# KiCad board gk-pcbv3.kicad_pcb (continued)
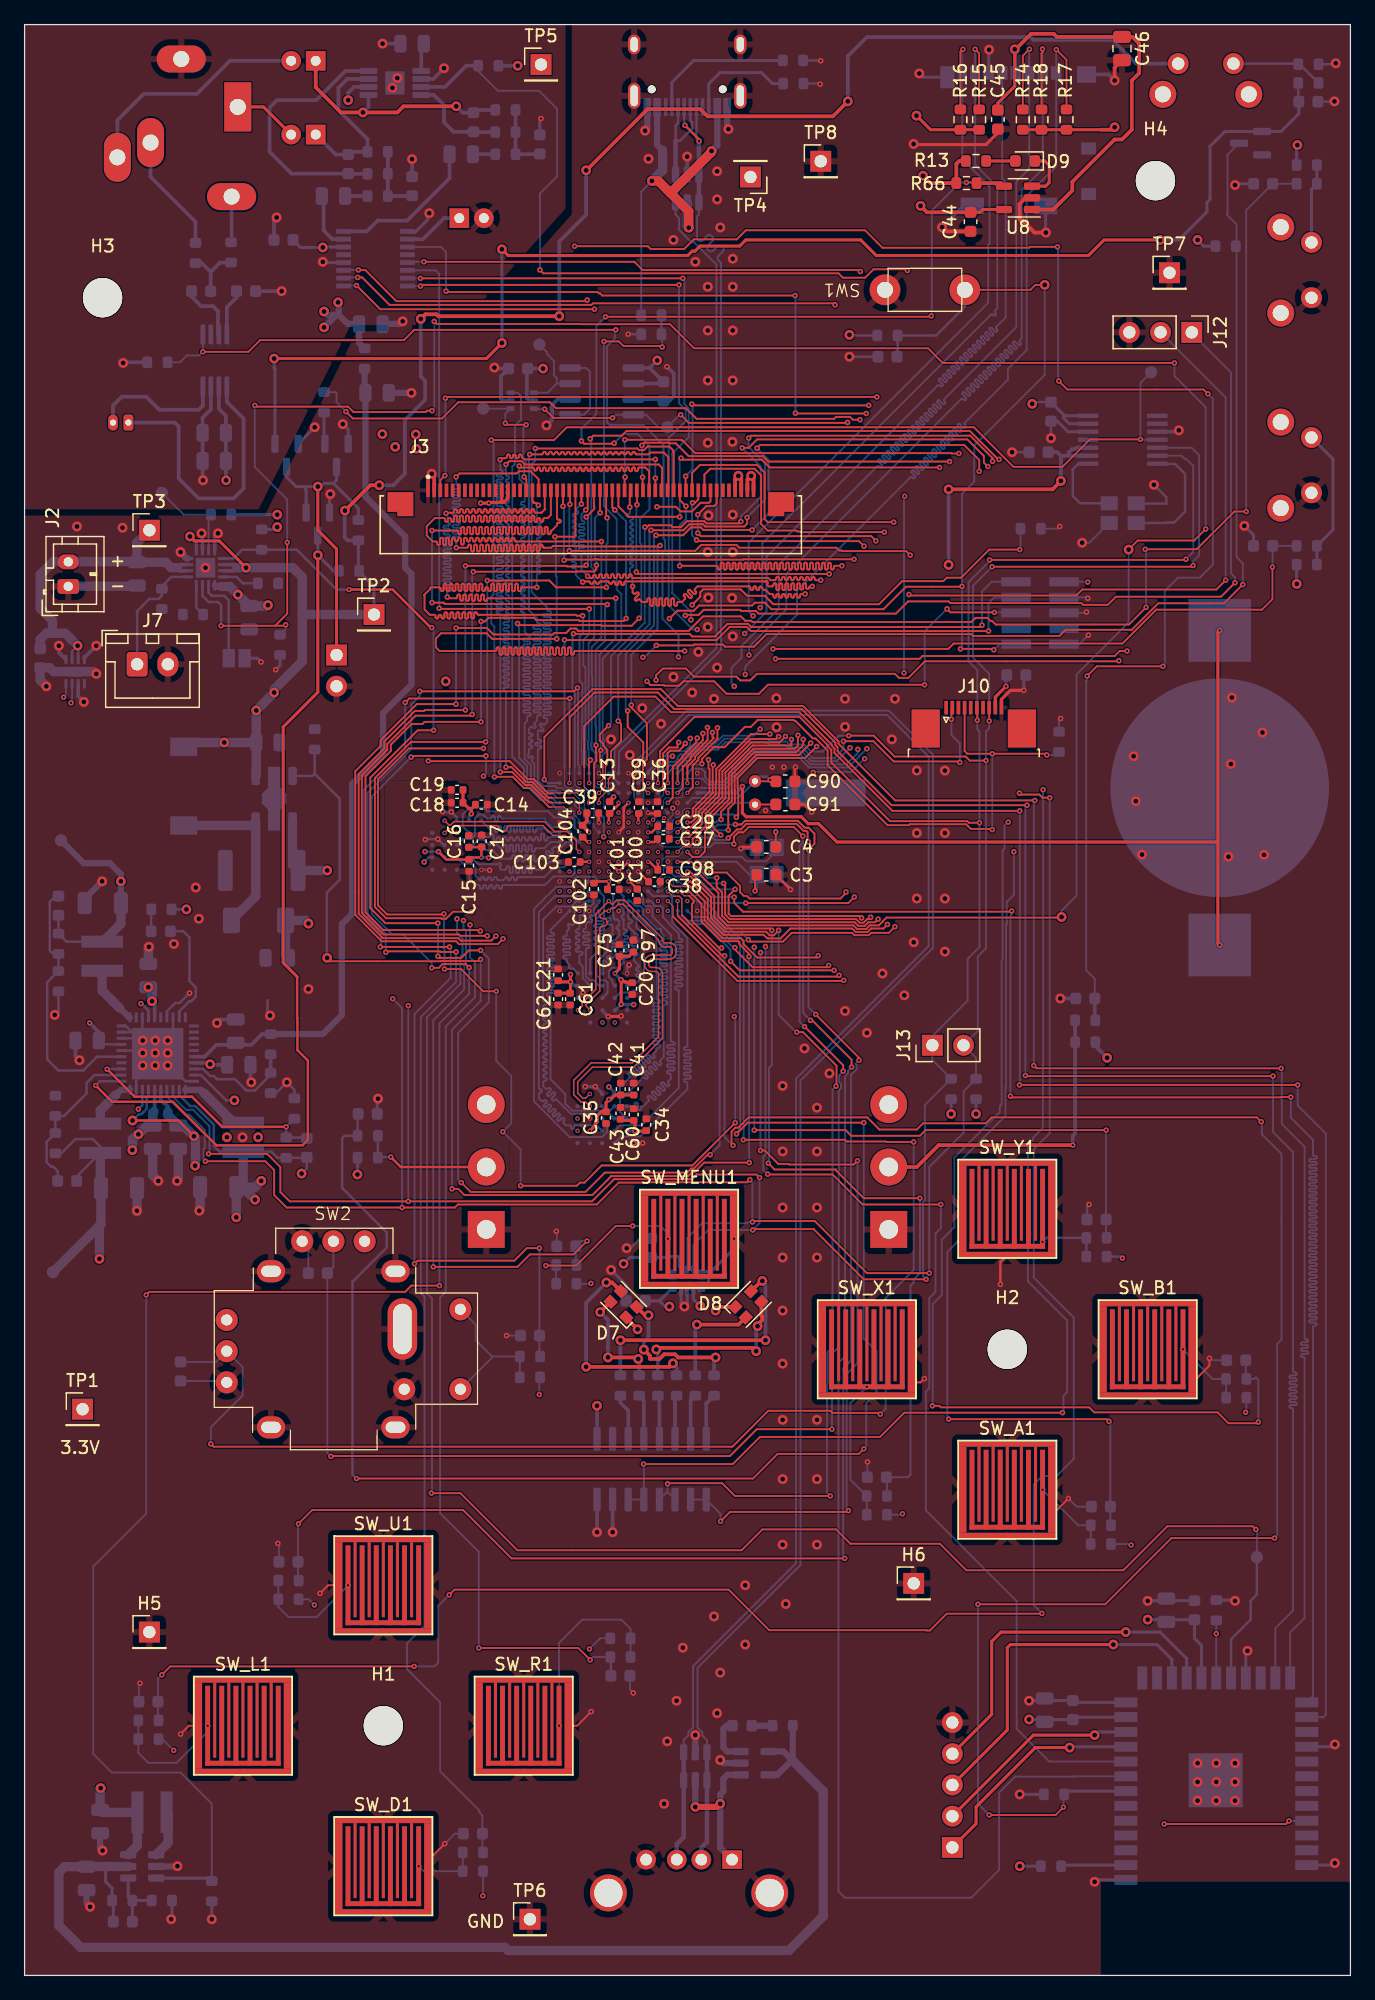
[diagram p0: board, top side]
## Routing (per net, layer and track width the routed paths; a pad name or vN(x,y) marks a point on that pad's centre or on a via; arc(x,y) is an arc through that point) (continued)
Net-(Q2-G): length 2.6
  Bottom w0.25: Q2.1 24.38,124.7 R79.1
Net-(R28-Pad2): length 6.6
  Bottom w0.152: R28.2 R29.1 85.78,36.63 v1(82.88,39.52)
Net-(R30-Pad2): length 6
  Bottom w0.152: R30.2 R31.1 96.73,48.54 v1(94.31,50.95)
Net-(R32-Pad2): length 11.5
  Bottom w0.152: R32.2 R33.1 67.23,40.35 67.23,46.56 v1(68.58,47.9)
Net-(R34-Pad2): length 5.2
  Bottom w0.203: v1(82.88,59.69) 83.22,60.02 R35.1 R34.2
Net-(R40-Pad2): length 10.2
  Bottom w0.152: R41.1 R40.2 9.26,18.12 10.08,17.3 12.37,17.3 14.9,19.83 v1(14.9,20.32)
Net-(R42-Pad2): length 16
  Bottom w0.152: v1(43.52,20.32) 43.52,27.06 45.42,28.96 48.46,28.96 48.49,28.93 48.62,28.93 49.34,28.21 R42.2 R43.1
Net-(R44-Pad2): length 6.5
  Bottom w0.25: SW_VOLUP1.2 104.77,145.35 R45.1 R44.2
Net-(R46-Pad2): length 11.6
  Bottom w0.25: R46.2 R47.1 106.53,117.64 106.53,123.4 SW_VOLDOWN1.2
Net-(R48-Pad1): length 7.6
  Bottom w0.203: R49.1 103.83,155.52 R48.1 103.65,155.58 SW_ONOFF1.1
Net-(R50-Pad2): length 14.3
  Top w0.152: v1(49.5,60.99) 48.13,60.99 44.91,57.76 v1(42.44,57.76)
  Bottom w0.152: R50.2 R51.1 43.23,57.76 v1(42.44,57.76) ; v1(52.38,59.94) 52.38,60.37 51.77,60.99 v1(49.5,60.99)
Net-(R68-Pad2): length 12.4
  Top w0.152: 37.69,65.43 38.07,65.05
  Top w0.203: v1(29.82,66.6) 30.63,65.79 SW_LB1.2
  Bottom w0.152: 38.94,66.19 38.89,66.14 ; 37.13,65.99 37.69,65.43
  Bottom w0.203: R83.1 R68.2 28.82,66.6 v1(29.82,66.6)
Net-(R84-Pad2): length 26
  Top w0.305: v1(85.34,67.56) 74.42,67.56 72.64,65.79 SW_RB1.2
  Bottom w0.305: v1(85.34,67.56) 85.34,68.33 85.54,68.52 R84.2 R85.1
Net-(U3-CLK/2): length 6.6
  Bottom w0.152: U3.8 45.72,130.81 46.02,130.51 46.02,127.48 45.54,127 U3.5
Net-(U4A-BOOT0): length 49.8
  Top w0.152: v1(81.03,116.03) 78.54,116.03 76.25,113.74 75.08,113.74 74.8,113.46 71.45,113.46 69.57,111.58 60.96,111.58 60.27,112.27 58.83,112.27 58.31,112.79 55.26,112.79 55.02,112.55 55.02,112.19 v1(54.36,111.53)
  In3.Cu w0.152: v1(54.2,100.66) 54.2,100.7 54.51,101 54.51,101.35 54.64,101.47 54.64,101.94 55.45,102.75 55.45,102.82 55.4,102.87 55.4,103.15 55.22,103.33 55.22,104.6 52.73,107.09 52.73,109.4 53.19,109.86 53.19,110.61 54.11,111.53 v1(54.36,111.53)
  Bottom w0.152: U4.A6 50.77,97.97 51.48,98.68 51.59,98.68 52.53,99.62 53.75,99.62 54.2,100.08 v1(54.2,100.66) ; v1(81.03,116.03) 81.03,116.26 81.09,116.32 R8.1
Net-(U4A-PC14-_OSC32_I_N): length 10.1
  Top w0.152: C90.1 59.48,97.17 Y2.1
  Top w0.203: 61.37,97.07 60.92,97.07 v1(60.71,97.28)
  Bottom w0.152: U4.D2 54.36,95.82 58.11,95.82 Y2.1
  Bottom w0.203: 59.44,97.55 60.44,97.55 v1(60.71,97.28)
Net-(U4A-PC15-_OSC32_O_UT): length 6.5
  Top w0.152: C91.1 59.48,95.29 Y2.2
  Bottom w0.152: Y2.2 59.32,95.43 U4.D1
Net-(U4B-PH0-_OSC_IN): length 8.1
  Top w0.152: v1(59.48,88.25) 59.48,89.43 C3.1
  Bottom w0.152: U4.K1 57.97,90.63 59,89.59 Y1.1 59.62,88.39 v1(59.48,88.25)
Net-(U4B-PH1-_OSC_OU_T): length 10.7
  Top w0.152: v1(61.16,93.05) 61.16,91.85 C4.1
  Bottom w0.152: U4.K2 54.36,91.02 58.39,91.02 58.74,90.66 60.39,90.66 61.22,91.49 Y1.3 61.22,92.99 v1(61.16,93.05)
Net-(U4B-PM8): length 46.6
  Top w0.152: v1(51.92,132.51) 51.84,132.59 48.77,132.59 48.39,132.97 v1(47.17,132.97)
  Bottom w0.09: U4.C9 47.98,96.61 47.41,96.61 47.11,96.91 47.11,98.31
  Bottom w0.152: v1(51.92,132.51) 51.92,133.49 R54.1 ; 47.11,98.31 47.11,98.76 47.04,98.83 47.04,99.27 47.3,99.53 47.3,99.95 47.16,100.1 47.16,100.48 47.06,100.58 47.07,100.58 47.07,107.16 48.59,108.69 48.59,112.42 48.21,112.8 48.21,118.52 47.17,119.56 v1(47.17,132.97)
  Bottom w0.203: R53.2 R54.1
Net-(U7-V_COM): length 4.9
  Bottom w0.305: U7.10 32.44,141.29 34.15,143 C48.1
Net-(U7-VOUTL): length 4.8
  Bottom w0.305: 25.97,141.29 25.06,141.29 24.35,142 24.35,144.65 C49.1
Net-(U7-VOUTR): length 12.4
  Bottom w0.305: C50.1 34.6,146.25 31.15,142.8 28.75,142.8 27.87,141.92 25.97,141.92
Net-(U11-O1): length 2.7
  Bottom w0.305: 55.5,44.75 55.5,46.55 R61.2
Net-(U11-O2): length 2.6
  Bottom w0.305: 54.23,44.75 54.23,46.8 R58.2
Net-(U11-O3): length 2.5
  Bottom w0.305: R62.2 52.96,47.05 52.96,44.75
Net-(U11-O4): length 2.5
  Bottom w0.305: R59.2 51.69,47.05 51.69,44.75
Net-(U11-O5): length 2.6
  Bottom w0.305: R63.2 50.42,46.8 50.42,44.75
Net-(U11-O6): length 2.7
  Bottom w0.305: 49.15,44.75 49.15,45.97 48.51,46.61 R60.2
Net-(U12-IN+): length 5
  Bottom w0.305: C82.1 13.6,136.61 14.38,135.84 15.34,135.84 15.75,135.43 15.75,133.6 15.82,133.53
Net-(U12-IN-): length 3.9
  Bottom w0.305: U12.4 16.47,135.75 17.26,136.54 C83.1
Net-(U13-S2): length 7
  Bottom w0.152: U3.7 43.33,129.54 ; 43.33,129.54 43.33,129.97 43.1,130.2 43.1,131.37 42.55,131.93 42.55,132.08 TP10.1 ; 43.33,129.54 42.59,128.79 U13.1
Net-(U14-BYPASS): length 2.3
  Bottom w0.305: U14.1 32.3,157 C57.2
Net-(U14-IN1-): length 21.8
  Bottom w0.305: 27.92,146.78 R19.2 26.38,146.6 26.35,146.62 21.72,146.62 19.95,148.4 19.95,152 20.55,152.6 23.75,152.6 26.12,154.98 U14.8
Net-(U14-IN2-): length 8.1
  Bottom w0.305: 38.33,150 36.58,150 C54.2 34.92,150.03 34.15,150.8 34.15,152.2 33.33,153.03 U14.4
Net-(U14-VO1): length 13.9
  Bottom w0.305: U14.7 26.27,154.33 25.55,153.6 25.55,151.8 27.92,149.43 R20.2 26.58,148.4 C52.1 25.33,148.18 C55.1
Net-(U14-VO2): length 19.8
  Top w0.305: C56.1 23.71,153.64 25.75,151.6 v2(27.55,151.6) 30.35,151.6 30.85,152.1 v2(35.15,152.1)
  Bottom w0.305: v2(35.15,152.1) 35.67,151.58 C54.1 36.77,151.8 38.33,151.8 ; U14.5 28,152.05 v2(27.55,151.6)
Net-(U19-XIN/CLK): length 7.1
  Bottom w0.203: 88.31,119.8 85.94,119.8 85.34,120.4 85.34,122.56 85.79,123 86.86,123
Net-(U19-XOUT): length 10.3
  Bottom w0.203: 91.96,123 93.66,123 94.49,122.17 94.49,119.13 93.59,118.22 92.96,118.22 92.94,118.2 Y3.3
Net-(U20-SW): length 3.9
  Bottom w0.762: L2.1 11.68,13.15 11.68,10.79 U20.1
Net-(U20-V_{FB}): length 5.3
  Bottom w0.254: R12.2 8.44,6.43 U20.4 ; R12.2 C9.2 ; R12.2 R56.1
Net-(U21-ILIM): length 3
  Bottom w0.203: R57.2 17.78,113.28 17.26,113.8 U21.12
Net-(U21-ISET): length 2.6
  Bottom w0.203: R74.2 13.98,111.3 U21.16
Net-(U21-~{PGOOD}): length 7.7
  Bottom w0.152: TP17.1 12.95,118.87 15.18,118.87 14.98,118.68 U21.7
Net-(U25-SDIO/SPI_CFG): length 5.3
  Bottom w0.254: 84.39,8.89 84.48,8.98 U25.2
Net-(U26A-SW1): length 5.8
  Bottom w0.508: U26.11 14.34,72.07 14.6,71.81
  Bottom w0.762: 14.6,71.81 17.02,69.39 L6.2
Net-(U26A-SW2): length 4.2
  Bottom w0.508: 7.43,71.66 7.84,72.07 U26.20
  Bottom w0.762: L5.2 6.16,70.39 7.43,71.66
Net-(U26A-SW3): length 4.8
  Bottom w0.508: 7.74,78.72 8.5,77.96 U26.31
  Bottom w0.762: L7.2 6.32,80.14 7.74,78.72

## Copper pours and planes (outline as drawn; the poured copper is in the pictures)
+1V8 on In2.Cu: 40.94,65.37 40.94,84.42 38.4,86.96 30.78,86.96 30.78,97.12 44.75,97.12 48.56,93.31 48.56,90.77 49.83,89.5 54.91,89.5 57.45,86.96 57.45,65.37
+1V8 on In2.Cu: 51.15,88.46 51.15,90.11 48.73,90.11 48.73,92.52 47.08,92.52 47.08,88.46
GND on Top, Bottom: -19.05,162.56 130.81,162.56 130.81,-7.62 128.27,-10.16 -19.05,-10.16
GND on Top, Bottom: 39.46,65.47 39.46,84.52 36.92,87.06 29.3,87.06 29.3,97.22 43.27,97.22 47.08,93.41 47.08,90.87 48.35,89.6 53.43,89.6 55.97,87.06 55.97,65.47
GND on Top, Bottom, In1.Cu, In4.Cu: 55.76,85.63 55.76,98.84 42.56,98.84 42.56,85.63
GND on Bottom: -11.43,118.11 30.48,118.11 30.48,58.42 -11.43,58.42
GND on Bottom: 49.78,150.62 49.78,147.83 52.07,145.54 52.07,141.48 55.12,138.43 55.12,108.46 47.24,100.58 47.24,97.03 48.01,96.27 49.02,96.27 49.53,96.77 49.53,99.06 57.91,107.44 57.91,141.48 56.64,142.75 56.64,147.57 58.17,149.1 58.17,153.16 49.84,153.16 49.63,152.96 49.63,150.77
GND on Bottom: 49.28,97.54 49.28,99.82 53.85,104.39 71.12,104.39 75.44,100.08 75.44,83.06 65.28,72.9 65.28,33.02 57.4,25.15 57.4,7.87 56.13,6.6 49.78,6.6 48.77,7.62 48.77,11.68 51.56,14.48 51.56,20.57 52.07,21.08 52.07,26.16 60.96,35.05 60.96,73.91 71.88,84.84 71.88,98.55 69.34,101.09 54.1,101.09 51.31,98.3 51.31,97.03 50.8,96.52 49.78,96.52 49.33,96.97 49.33,97.48
GND on Bottom: 53.81,89.6 57.37,89.6 57.37,87.57 62.96,87.57 62.96,93.15 69.82,93.15 69.82,99.25 57.37,99.25 57.37,96.46 53.81,96.46
GND on In1.Cu, In4.Cu: -12.7,165.1 114.3,165.1 114.3,-6.35 -12.7,-6.35
VCC on In2.Cu: -12.7,165.1 114.3,165.1 114.3,-6.35 -12.7,-6.35
VCC on In2.Cu: 57.24,98.74 44.04,98.74 44.04,85.53 57.24,85.53
VCC on In3.Cu: -6.35,161.29 125.73,161.29 125.73,-11.43 -6.35,-11.43
VDDA on In2.Cu: 19.05,119.3 26.55,134.3 35.55,134.3 44.05,143.8 44.05,166.3 -15.95,166.3 -15.95,119.3
USB_VBUS on In2.Cu: 61.21,149.35 61.21,140.21 47.5,140.21 37.34,129.54 28.7,129.54 22.61,118.36 22.61,105.66 14.99,105.66 14.99,118.87 19.55,118.8 27.05,133.8 36.05,133.8 44.55,143.3 44.45,149.35
VCAP on Top, In3.Cu: 52.04,89.22 52.04,95.06 46.19,95.06 46.19,89.22
VLITH on In2.Cu: 14.99,118.87 -0.45,118.8 -0.76,105.66 14.99,105.66
VREGIN on In2.Cu: 9.55,96.3 8.38,96.52 -1.27,96.52 -1.08,61.5 9.47,61.48
VREGIN on In2.Cu: 22.61,105.66 22.61,96.77 8.38,96.77 8.38,96.52 -1.27,96.52 -0.76,105.66
VREGIN on In2.Cu: 9.55,96.3 8.38,96.52 8.38,97.54 16,97.54 16.53,97.53 19.58,97.53 19.56,89.92 19.58,97.52 24.16,97.52 24.06,64.22 13.41,64.19 13.41,61.14 9.48,61.14

## Text on the board
B.Silkscreen: SDA | SCL | 3.3V | + | - | GND | WIFI_TX | WIFI_RX | WIFI_SCL | WIFI_SDA
F.Silkscreen: 3.3V | + | - | GND
Margin: JLCPCB JLC06161H-3313 6 layer 1.6 mm: / 50 ohm single-ended 6.16 mil / 100 ohm differential coplanar, 4.79 mil, 8 mil spacing, 8 mil to GND / 100 ohm differential coplanar, 4.1 mil, 6 mil spacing, 6 mil to GND / 100 ohm differential coplanar, In4.Cu, 4.35 mil, 8 mil spacing, 8 mil to GND / 90 ohm differential coplanar 6.12 mil, 8 mil spacing, 8 mil to GND / STM32: / BGA255 - pitch 0.8 mm, dpad 0.4 mm, / dsm 0.55 mm, stencil 0.4 mm, / stencil thickness 0.1-0.125 mm / Hyperbus: / BGA24 - pitch 1 mm, dpad 0.35 mm, / dsm 0.5 mm, stencil ? (just >0.66 is defined) - use 0.35 / stencil thickness 0.1-0.15mm | TODO: For new boards increase clearance to 5 mil / (JLCPCB trace compensation adds approximately 0.5 mil on each / side of a trace)
